# KiCad board EOutside.kicad_pcb (continued)
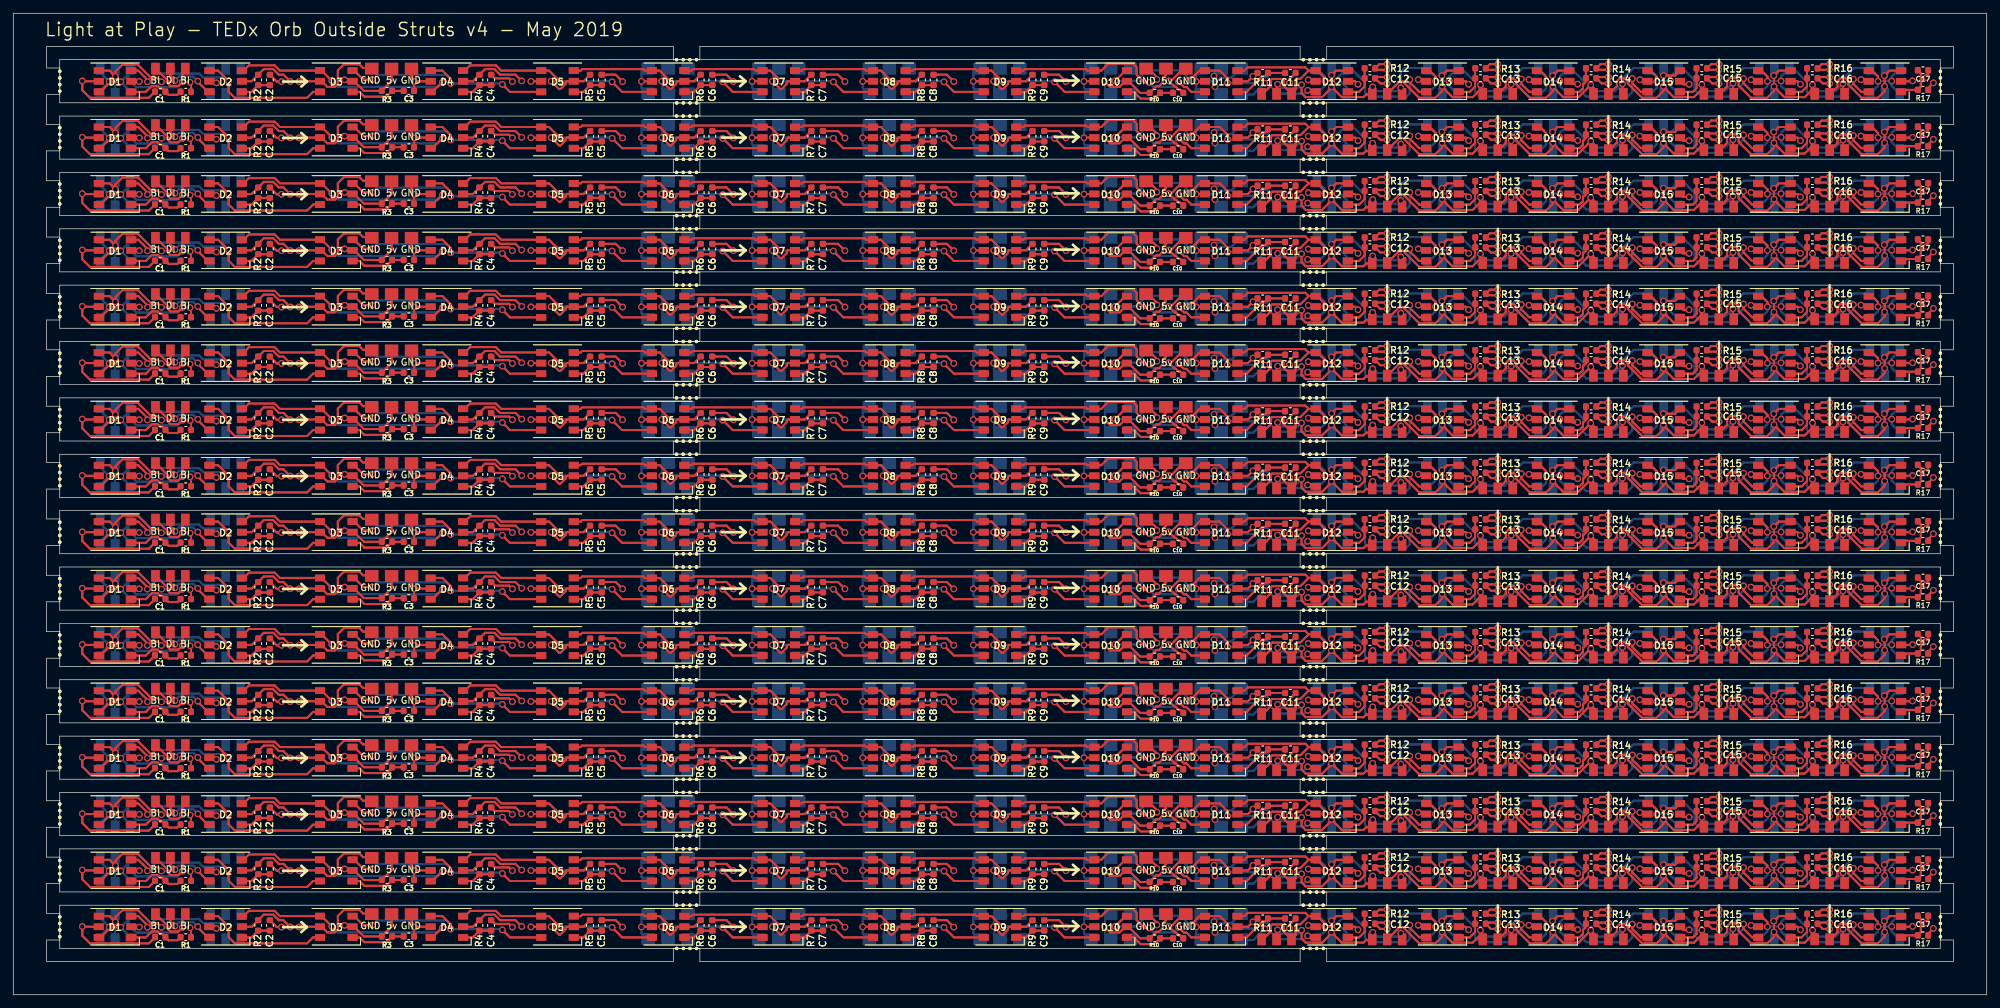
[diagram p0: board, top side]
## Routing (per net, layer and track width the routed paths; a pad name or vN(x,y) marks a point on that pad's centre or on a via; arc(x,y) is an arc through that point) (continued)
Net-(C11-Pad1): length 267.6
  Top w0.3: R11#2.2 C11#2.1 R11#2.2 ; R11#2.2 188.58,130.04 ; R11#2.2 188.58,130.04 ; 188.58,130.04 188.21,130.04 ; 188.58,130.04 188.21,130.04 ; 188.21,130.04 188.2,130.03 ; 188.21,130.04 188.2,130.03 ; 188.2,130.03 188.2,130.03 ; 188.2,130.03 188.2,130.03 ; 185.82,127.65 187.89,129.72 ; 185.82,127.65 D11#2.1 185.82,127.65 ; 185.82,127.65 187.89,129.72 ; 187.89,129.72 187.9,129.72 ; 187.89,129.72 187.9,129.72 ; 187.9,129.72 188.2,130.03 ; 187.9,129.72 188.2,130.03 ; R11#3.2 C11#3.1 R11#3.2 ; R11#3.2 188.58,121.54 ; R11#3.2 188.58,121.54 ; 188.58,121.54 188.21,121.54 ; 188.58,121.54 188.21,121.54 ; 188.21,121.54 188.2,121.53 ; 188.21,121.54 188.2,121.53 ; 188.2,121.53 188.2,121.53 ; 188.2,121.53 188.2,121.53 ; 185.82,119.15 187.89,121.22 ; 185.82,119.15 D11#3.1 185.82,119.15 ; 185.82,119.15 187.89,121.22 ; 187.89,121.22 187.9,121.22 ; 187.89,121.22 187.9,121.22 ; 187.9,121.22 188.2,121.53 ; 187.9,121.22 188.2,121.53 ; 185.82,110.65 187.89,112.72 ; 185.82,110.65 D11#4.1 185.82,110.65 ; 185.82,110.65 187.89,112.72 ; 187.89,112.72 187.9,112.72 ; 187.89,112.72 187.9,112.72 ; 187.9,112.72 188.2,113.03 ; 187.9,112.72 188.2,113.03 ; 188.2,113.03 188.2,113.03 ; 188.2,113.03 188.2,113.03 ; 188.2,113.03 188.21,113.04 ; 188.2,113.03 188.21,113.04 ; 188.21,113.04 188.58,113.04 ; 188.21,113.04 188.58,113.04 ; 188.58,113.04 R11#4.2 ; 188.58,113.04 R11#4.2 ; R11#4.2 C11#4.1 R11#4.2 ; R11.2 C11.1 R11.2 ; R11.2 188.58,138.54 ; R11.2 188.58,138.54 ; 188.58,138.54 188.21,138.54 ; 188.58,138.54 188.21,138.54 ; 188.21,138.54 188.2,138.53 ; 188.21,138.54 188.2,138.53 ; 188.2,138.53 188.2,138.53 ; 188.2,138.53 188.2,138.53 ; 185.82,136.15 187.89,138.22 ; 185.82,136.15 D11.1 185.82,136.15 ; 185.82,136.15 187.89,138.22 ; 187.89,138.22 187.9,138.22 ; 187.89,138.22 187.9,138.22 ; 187.9,138.22 188.2,138.53 ; 187.9,138.22 188.2,138.53 ; R11#9.2 C11#12.1 R11#9.2 ; R11#9.2 188.58,104.54 ; R11#9.2 188.58,104.54 ; 188.58,104.54 188.21,104.54 ; 188.58,104.54 188.21,104.54 ; 188.21,104.54 188.2,104.53 ; 188.21,104.54 188.2,104.53 ; 188.2,104.53 188.2,104.53 ; 188.2,104.53 188.2,104.53 ; 185.82,102.15 187.89,104.22 ; 185.82,102.15 D11#11.1 185.82,102.15 ; 185.82,102.15 187.89,104.22 ; 187.89,104.22 187.9,104.22 ; 187.89,104.22 187.9,104.22 ; 187.9,104.22 188.2,104.53 ; 187.9,104.22 188.2,104.53 ; 185.82,93.65 187.89,95.72 ; 185.82,93.65 D11#15.1 185.82,93.65 ; 185.82,93.65 187.89,95.72 ; 187.89,95.72 187.9,95.72 ; 187.89,95.72 187.9,95.72 ; 187.9,95.72 188.2,96.03 ; 187.9,95.72 188.2,96.03 ; 188.2,96.03 188.2,96.03 ; 188.2,96.03 188.2,96.03 ; 188.2,96.03 188.21,96.04 ; 188.2,96.03 188.21,96.04 ; 188.21,96.04 188.58,96.04 ; 188.21,96.04 188.58,96.04 ; 188.58,96.04 R11#14.2 ; 188.58,96.04 R11#14.2 ; R11#14.2 C11#15.1 R11#14.2 ; R11#10.2 C11#10.1 R11#10.2 ; R11#10.2 188.58,79.04 ; R11#10.2 188.58,79.04 ; 188.21,79.04 188.58,79.04 ; 188.21,79.04 188.2,79.03 ; 188.21,79.04 188.2,79.03 ; 188.21,79.04 188.58,79.04 ; 188.2,79.03 188.2,79.03 ; 188.2,79.03 188.2,79.03 ; 185.82,76.65 187.89,78.72 ; 185.82,76.65 D11#13.1 185.82,76.65 ; 185.82,76.65 187.89,78.72 ; 187.89,78.72 187.9,78.72 ; 187.89,78.72 187.9,78.72 ; 187.9,78.72 188.2,79.03 ; 187.9,78.72 188.2,79.03 ; 185.82,85.15 187.89,87.22 ; 185.82,85.15 D11#9.1 185.82,85.15 ; 185.82,85.15 187.89,87.22 ; 187.89,87.22 187.9,87.22 ; 187.89,87.22 187.9,87.22 ; 187.9,87.22 188.2,87.53 ; 187.9,87.22 188.2,87.53 ; 188.2,87.53 188.2,87.53 ; 188.2,87.53 188.2,87.53 ; 188.2,87.53 188.21,87.54 ; 188.2,87.53 188.21,87.54 ; R11#11.2 C11#9.1 R11#11.2 ; R11#11.2 188.58,87.54 ; R11#11.2 188.58,87.54 ; 188.58,87.54 188.21,87.54 ; 188.58,87.54 188.21,87.54 ; 188.21,70.54 188.58,70.54 ; 188.21,70.54 188.2,70.53 ; 188.21,70.54 188.58,70.54 ; 188.21,70.54 188.2,70.53 ; 188.58,70.54 R11#17.2 ; 188.58,70.54 R11#17.2 ; 188.2,70.53 188.2,70.53 ; 188.2,70.53 188.2,70.53 ; R11#17.2 C11#19.1 R11#17.2 ; 185.82,68.15 187.89,70.22 ; 185.82,68.15 D11#17.1 185.82,68.15 ; 185.82,68.15 187.89,70.22 ; 187.89,70.22 187.9,70.22 ; 187.89,70.22 187.9,70.22 ; 187.9,70.22 188.2,70.53 ; 187.9,70.22 188.2,70.53 ; 185.82,59.65 187.89,61.72 ; 185.82,59.65 D11#19.1 185.82,59.65 ; 185.82,59.65 187.89,61.72 ; 187.89,61.72 187.9,61.72 ; 187.89,61.72 187.9,61.72 ; 187.9,61.72 188.2,62.03 ; 187.9,61.72 188.2,62.03 ; 188.2,62.03 188.2,62.03 ; 188.2,62.03 188.2,62.03 ; 188.2,62.03 188.21,62.04 ; 188.2,62.03 188.21,62.04 ; R11#21.2 C11#21.1 R11#21.2 ; R11#21.2 188.58,62.04 ; R11#21.2 188.58,62.04 ; R11#18.2 C11#18.1 R11#18.2 ; R11#18.2 188.58,45.04 ; R11#18.2 188.58,45.04 ; 188.21,62.04 188.58,62.04 ; 188.21,62.04 188.58,62.04 ; 185.82,51.15 187.89,53.22 ; 185.82,51.15 D11#20.1 185.82,51.15 ; 185.82,51.15 187.89,53.22 ; 187.89,53.22 187.9,53.22 ; 187.89,53.22 187.9,53.22 ; 187.9,53.22 188.2,53.53 ; 187.9,53.22 188.2,53.53 ; 188.2,53.53 188.2,53.53 ; 188.2,53.53 188.2,53.53 ; 188.2,53.53 188.21,53.54 ; 188.2,53.53 188.21,53.54 ; 188.21,45.04 188.58,45.04 ; 188.21,45.04 188.2,45.03 ; 188.21,45.04 188.2,45.03 ; 188.21,45.04 188.58,45.04 ; 188.2,45.03 188.2,45.03 ; 188.2,45.03 188.2,45.03 ; 185.82,42.65 187.89,44.72 ; 185.82,42.65 D11#21.1 185.82,42.65 ; 185.82,42.65 187.89,44.72 ; 187.89,44.72 187.9,44.72 ; 187.89,44.72 187.9,44.72 ; 187.9,44.72 188.2,45.03 ; 187.9,44.72 188.2,45.03 ; R11#19.2 C11#17.1 R11#19.2 ; R11#19.2 188.58,53.54 ; R11#19.2 188.58,53.54 ; 188.58,53.54 188.21,53.54 ; 188.58,53.54 188.21,53.54 ; 188.2,28.03 188.21,28.04 ; 188.2,28.03 188.2,28.03 ; 188.2,28.03 188.21,28.04 ; 188.2,28.03 188.2,28.03 ; 188.21,28.04 188.58,28.04 ; 188.21,28.04 188.58,28.04 ; 188.58,28.04 R11#30.2 ; 188.58,28.04 R11#30.2 ; R11#30.2 C11#26.1 R11#30.2 ; R11#29.2 C11#25.1 R11#29.2 ; R11#29.2 188.58,11.04 ; R11#29.2 188.58,11.04 ; 188.21,11.04 188.58,11.04 ; 188.21,11.04 188.2,11.03 ; 188.21,11.04 188.58,11.04 ; 188.21,11.04 188.2,11.03 ; 185.82,17.15 187.89,19.22 ; 185.82,17.15 D11#28.1 185.82,17.15 ; 185.82,17.15 187.89,19.22 ; 187.89,19.22 187.9,19.22 ; 187.89,19.22 187.9,19.22 ; 187.9,19.22 188.2,19.53 ; 187.9,19.22 188.2,19.53 ; 188.2,19.53 188.2,19.53 ; 188.2,19.53 188.2,19.53 ; 188.2,19.53 188.21,19.54 ; 188.2,19.53 188.21,19.54 ; R11#27.2 C11#29.1 R11#27.2 ; R11#27.2 188.58,36.54 ; R11#27.2 188.58,36.54 ; 188.58,36.54 188.21,36.54 ; 188.58,36.54 188.21,36.54 ; 188.21,36.54 188.2,36.53 ; 188.21,36.54 188.2,36.53 ; 188.2,36.53 188.2,36.53 ; 188.2,36.53 188.2,36.53 ; 185.82,34.15 187.89,36.22 ; 185.82,34.15 D11#25.1 185.82,34.15 ; 185.82,34.15 187.89,36.22 ; 187.89,36.22 187.9,36.22 ; 187.89,36.22 187.9,36.22 ; 187.9,36.22 188.2,36.53 ; 187.9,36.22 188.2,36.53 ; R11#25.2 C11#28.1 R11#25.2 ; R11#25.2 188.58,19.54 ; R11#25.2 188.58,19.54 ; 188.58,19.54 188.21,19.54 ; 188.58,19.54 188.21,19.54 ; 185.82,8.65 187.89,10.72 ; 185.82,8.65 D11#29.1 185.82,8.65 ; 185.82,8.65 187.89,10.72 ; 187.89,10.72 187.9,10.72 ; 187.89,10.72 187.9,10.72 ; 187.9,10.72 188.2,11.03 ; 187.9,10.72 188.2,11.03 ; 188.2,11.03 188.2,11.03 ; 188.2,11.03 188.2,11.03 ; 185.82,25.65 187.89,27.72 ; 185.82,25.65 D11#27.1 185.82,25.65 ; 185.82,25.65 187.89,27.72 ; 187.89,27.72 187.9,27.72 ; 187.89,27.72 187.9,27.72 ; 187.9,27.72 188.2,28.03 ; 187.9,27.72 188.2,28.03
Net-(C12-Pad1): length 177.8
  Top w0.3: C12#2.1 R12#2.2 C12#2.1 ; C12#2.1 203.61,128.48 ; C12#2.1 203.61,128.48 ; 202.78,127.65 202.17,127.65 ; 202.78,127.65 203.61,128.48 ; 202.78,127.65 202.17,127.65 ; 202.78,127.65 203.61,128.48 ; 202.17,127.65 D12#2.1 202.17,127.65 ; C12#3.1 R12#3.2 C12#3.1 ; C12#3.1 203.61,119.98 ; C12#3.1 203.61,119.98 ; 202.78,119.15 202.17,119.15 ; 202.78,119.15 203.61,119.98 ; 202.78,119.15 202.17,119.15 ; 202.78,119.15 203.61,119.98 ; 202.17,119.15 D12#3.1 202.17,119.15 ; C12#4.1 R12#4.2 C12#4.1 ; C12#4.1 203.61,111.48 ; C12#4.1 203.61,111.48 ; 202.78,110.65 202.17,110.65 ; 202.78,110.65 203.61,111.48 ; 202.78,110.65 202.17,110.65 ; 202.78,110.65 203.61,111.48 ; 202.17,110.65 D12#4.1 202.17,110.65 ; C12.1 R12.2 C12.1 ; C12.1 203.61,136.98 ; C12.1 203.61,136.98 ; 202.78,136.15 202.17,136.15 ; 202.78,136.15 203.61,136.98 ; 202.78,136.15 202.17,136.15 ; 202.78,136.15 203.61,136.98 ; 202.17,136.15 D12.1 202.17,136.15 ; C12#12.1 R12#12.2 C12#12.1 ; C12#12.1 203.61,102.98 ; C12#12.1 203.61,102.98 ; 202.78,102.15 202.17,102.15 ; 202.78,102.15 203.61,102.98 ; 202.78,102.15 202.17,102.15 ; 202.78,102.15 203.61,102.98 ; 202.17,102.15 D12#11.1 202.17,102.15 ; C12#15.1 R12#14.2 C12#15.1 ; C12#15.1 203.61,94.48 ; C12#15.1 203.61,94.48 ; 202.78,93.65 202.17,93.65 ; 202.78,93.65 203.61,94.48 ; 202.78,93.65 202.17,93.65 ; 202.78,93.65 203.61,94.48 ; 202.17,93.65 D12#15.1 202.17,93.65 ; C12#10.1 R12#11.2 C12#10.1 ; C12#10.1 203.61,77.48 ; C12#10.1 203.61,77.48 ; 202.78,76.65 202.17,76.65 ; 202.78,76.65 203.61,77.48 ; 202.78,76.65 202.17,76.65 ; 202.78,76.65 203.61,77.48 ; 202.17,76.65 D12#13.1 202.17,76.65 ; C12#9.1 R12#9.2 C12#9.1 ; C12#9.1 203.61,85.98 ; C12#9.1 203.61,85.98 ; 202.78,85.15 202.17,85.15 ; 202.78,85.15 203.61,85.98 ; 202.78,85.15 202.17,85.15 ; 202.78,85.15 203.61,85.98 ; 202.17,85.15 D12#9.1 202.17,85.15 ; C12#19.1 R12#19.2 C12#19.1 ; C12#19.1 203.61,68.98 ; C12#19.1 203.61,68.98 ; 202.78,68.15 202.17,68.15 ; 202.78,68.15 203.61,68.98 ; 202.78,68.15 202.17,68.15 ; 202.78,68.15 203.61,68.98 ; 202.17,68.15 D12#17.1 202.17,68.15 ; C12#21.1 R12#20.2 C12#21.1 ; C12#21.1 203.61,60.48 ; C12#21.1 203.61,60.48 ; 202.78,59.65 202.17,59.65 ; 202.78,59.65 203.61,60.48 ; 202.78,59.65 202.17,59.65 ; 202.78,59.65 203.61,60.48 ; 202.17,59.65 D12#21.1 202.17,59.65 ; C12#18.1 R12#18.2 C12#18.1 ; C12#18.1 203.61,43.48 ; C12#18.1 203.61,43.48 ; 202.78,42.65 202.17,42.65 ; 202.78,42.65 203.61,43.48 ; 202.78,42.65 202.17,42.65 ; 202.78,42.65 203.61,43.48 ; 202.17,42.65 D12#23.1 202.17,42.65 ; C12#17.1 R12#17.2 C12#17.1 ; C12#17.1 203.61,51.98 ; C12#17.1 203.61,51.98 ; 202.78,51.15 202.17,51.15 ; 202.78,51.15 203.61,51.98 ; 202.78,51.15 202.17,51.15 ; 202.78,51.15 203.61,51.98 ; 202.17,51.15 D12#18.1 202.17,51.15 ; C12#26.1 R12#25.2 C12#26.1 ; C12#26.1 203.61,26.48 ; C12#26.1 203.61,26.48 ; 202.78,25.65 202.17,25.65 ; 202.78,25.65 203.61,26.48 ; 202.78,25.65 202.17,25.65 ; 202.78,25.65 203.61,26.48 ; 202.17,25.65 D12#28.1 202.17,25.65 ; C12#25.1 R12#26.2 C12#25.1 ; C12#25.1 203.61,9.48 ; C12#25.1 203.61,9.48 ; 202.78,8.65 202.17,8.65 ; 202.78,8.65 203.61,9.48 ; 202.78,8.65 202.17,8.65 ; 202.78,8.65 203.61,9.48 ; 202.17,8.65 D12#31.1 202.17,8.65 ; C12#29.1 R12#30.2 C12#29.1 ; C12#29.1 203.61,34.98 ; C12#29.1 203.61,34.98 ; 202.78,34.15 202.17,34.15 ; 202.78,34.15 203.61,34.98 ; 202.78,34.15 202.17,34.15 ; 202.78,34.15 203.61,34.98 ; 202.17,34.15 D12#27.1 202.17,34.15 ; C12#28.1 R12#28.2 C12#28.1 ; C12#28.1 203.61,17.98 ; C12#28.1 203.61,17.98 ; 202.78,17.15 202.17,17.15 ; 202.78,17.15 203.61,17.98 ; 202.78,17.15 202.17,17.15 ; 202.78,17.15 203.61,17.98 ; 202.17,17.15 D12#25.1 202.17,17.15
Net-(C13-Pad1): length 177.8
  Top w0.3: 220.25,128.45 219.45,127.65 ; 220.25,128.45 220.25,131.17 ; 220.25,128.45 220.25,131.17 ; 220.25,128.45 219.45,127.65 ; 219.45,127.65 218.83,127.65 ; 219.45,127.65 218.83,127.65 ; 218.83,127.65 D13#2.1 218.83,127.65 ; 220.25,131.17 R13#2.2 220.25,131.17 ; 220.25,119.95 219.45,119.15 ; 220.25,119.95 220.25,122.67 ; 220.25,119.95 219.45,119.15 ; 220.25,119.95 220.25,122.67 ; 219.45,119.15 218.83,119.15 ; 219.45,119.15 218.83,119.15 ; 218.83,119.15 D13#3.1 218.83,119.15 ; 220.25,122.67 R13#3.2 220.25,122.67 ; 218.83,110.65 D13#4.1 218.83,110.65 ; 218.83,110.65 219.45,110.65 ; 218.83,110.65 219.45,110.65 ; 220.25,114.17 R13#4.2 220.25,114.17 ; 220.25,114.17 220.25,111.45 ; 220.25,114.17 220.25,111.45 ; 220.25,111.45 219.45,110.65 ; 220.25,111.45 219.45,110.65 ; 220.25,136.95 219.45,136.15 ; 220.25,136.95 220.25,139.67 ; 220.25,136.95 220.25,139.67 ; 220.25,136.95 219.45,136.15 ; 219.45,136.15 218.83,136.15 ; 219.45,136.15 218.83,136.15 ; 218.83,136.15 D13.1 218.83,136.15 ; 220.25,139.67 R13.2 220.25,139.67 ; 220.25,102.95 219.45,102.15 ; 220.25,102.95 220.25,105.67 ; 220.25,102.95 219.45,102.15 ; 220.25,102.95 220.25,105.67 ; 219.45,102.15 218.83,102.15 ; 219.45,102.15 218.83,102.15 ; 218.83,102.15 D13#11.1 218.83,102.15 ; 220.25,105.67 R13#13.2 220.25,105.67 ; 218.83,93.65 D13#14.1 218.83,93.65 ; 218.83,93.65 219.45,93.65 ; 218.83,93.65 219.45,93.65 ; 220.25,97.17 R13#15.2 220.25,97.17 ; 220.25,97.17 220.25,94.45 ; 220.25,97.17 220.25,94.45 ; 220.25,94.45 219.45,93.65 ; 220.25,94.45 219.45,93.65 ; 218.83,76.65 D13#9.1 218.83,76.65 ; 218.83,76.65 219.45,76.65 ; 218.83,76.65 219.45,76.65 ; 220.25,80.17 R13#9.2 220.25,80.17 ; 220.25,80.17 220.25,77.45 ; 220.25,80.17 220.25,77.45 ; 220.25,77.45 219.45,76.65 ; 220.25,77.45 219.45,76.65 ; 220.25,85.95 219.45,85.15 ; 220.25,85.95 220.25,88.67 ; 220.25,85.95 219.45,85.15 ; 220.25,85.95 220.25,88.67 ; 219.45,85.15 218.83,85.15 ; 219.45,85.15 218.83,85.15 ; 218.83,85.15 D13#10.1 218.83,85.15 ; 220.25,88.67 R13#10.2 220.25,88.67 ; 220.25,68.95 219.45,68.15 ; 220.25,68.95 220.25,71.67 ; 220.25,68.95 219.45,68.15 ; 220.25,68.95 220.25,71.67 ; 219.45,68.15 218.83,68.15 ; 219.45,68.15 218.83,68.15 ; 218.83,68.15 D13#23.1 218.83,68.15 ; 220.25,71.67 R13#20.2 220.25,71.67 ; 218.83,59.65 D13#21.1 218.83,59.65 ; 218.83,59.65 219.45,59.65 ; 218.83,59.65 219.45,59.65 ; 220.25,63.17 R13#21.2 220.25,63.17 ; 220.25,63.17 220.25,60.45 ; 220.25,63.17 220.25,60.45 ; 220.25,60.45 219.45,59.65 ; 220.25,60.45 219.45,59.65 ; 218.83,42.65 D13#18.1 218.83,42.65 ; 218.83,42.65 219.45,42.65 ; 218.83,42.65 219.45,42.65 ; 220.25,46.17 R13#17.2 220.25,46.17 ; 220.25,46.17 220.25,43.45 ; 220.25,46.17 220.25,43.45 ; 220.25,43.45 219.45,42.65 ; 220.25,43.45 219.45,42.65 ; 220.25,51.95 219.45,51.15 ; 220.25,51.95 220.25,54.67 ; 220.25,51.95 219.45,51.15 ; 220.25,51.95 220.25,54.67 ; 219.45,51.15 218.83,51.15 ; 219.45,51.15 218.83,51.15 ; 218.83,51.15 D13#17.1 218.83,51.15 ; 220.25,54.67 R13#18.2 220.25,54.67 ; 220.25,34.95 219.45,34.15 ; 220.25,34.95 220.25,37.67 ; 220.25,34.95 219.45,34.15 ; 220.25,34.95 220.25,37.67 ; 219.45,34.15 218.83,34.15 ; 219.45,34.15 218.83,34.15 ; 218.83,34.15 D13#30.1 218.83,34.15 ; 220.25,37.67 R13#29.2 220.25,37.67 ; 218.83,8.65 D13#28.1 218.83,8.65 ; 218.83,8.65 219.45,8.65 ; 218.83,8.65 219.45,8.65 ; 220.25,12.17 R13#26.2 220.25,12.17 ; 220.25,12.17 220.25,9.45 ; 220.25,12.17 220.25,9.45 ; 220.25,9.45 219.45,8.65 ; 220.25,9.45 219.45,8.65 ; 220.25,17.95 219.45,17.15 ; 220.25,17.95 220.25,20.67 ; 220.25,17.95 219.45,17.15 ; 220.25,17.95 220.25,20.67 ; 219.45,17.15 218.83,17.15 ; 219.45,17.15 218.83,17.15 ; 218.83,17.15 D13#26.1 218.83,17.15 ; 220.25,20.67 R13#27.2 220.25,20.67 ; 218.83,25.65 D13#25.1 218.83,25.65 ; 218.83,25.65 219.45,25.65 ; 218.83,25.65 219.45,25.65 ; 220.25,29.17 R13#25.2 220.25,29.17 ; 220.25,29.17 220.25,26.45 ; 220.25,29.17 220.25,26.45 ; 220.25,26.45 219.45,25.65 ; 220.25,26.45 219.45,25.65
Net-(C14-Pad1): length 174.9
  Top w0.3: 235.96,127.65 D14#2.1 235.96,127.65 ; 235.96,127.65 236.51,128.2 ; 235.96,127.65 236.51,128.2 ; 236.51,128.2 236.51,128.75 ; 236.51,128.2 236.51,128.75 ; 236.51,128.75 236.94,129.18 ; 236.51,128.75 236.94,129.18 ; 236.94,129.18 R14#2.2 236.94,129.18 ; 235.96,119.15 D14#3.1 235.96,119.15 ; 235.96,119.15 236.51,119.7 ; 235.96,119.15 236.51,119.7 ; 236.51,119.7 236.51,120.25 ; 236.51,119.7 236.51,120.25 ; 236.51,120.25 236.94,120.68 ; 236.51,120.25 236.94,120.68 ; 236.94,120.68 R14#3.2 236.94,120.68 ; 236.94,112.18 236.51,111.75 ; 236.94,112.18 R14#4.2 236.94,112.18 ; 236.94,112.18 236.51,111.75 ; 236.51,111.75 236.51,111.2 ; 236.51,111.75 236.51,111.2 ; 236.51,111.2 235.96,110.65 ; 236.51,111.2 235.96,110.65 ; 235.96,110.65 D14#4.1 235.96,110.65 ; 235.96,136.15 D14.1 235.96,136.15 ; 235.96,136.15 236.51,136.7 ; 235.96,136.15 236.51,136.7 ; 236.51,136.7 236.51,137.25 ; 236.51,136.7 236.51,137.25 ; 236.51,137.25 236.94,137.68 ; 236.51,137.25 236.94,137.68 ; 236.94,137.68 R14.2 236.94,137.68 ; 235.96,102.15 D14#11.1 235.96,102.15 ; 235.96,102.15 236.51,102.7 ; 235.96,102.15 236.51,102.7 ; 236.51,102.7 236.51,103.25 ; 236.51,102.7 236.51,103.25 ; 236.51,103.25 236.94,103.68 ; 236.51,103.25 236.94,103.68 ; 236.94,103.68 R14#10.2 236.94,103.68 ; 236.94,95.18 236.51,94.75 ; 236.94,95.18 R14#12.2 236.94,95.18 ; 236.94,95.18 236.51,94.75 ; 236.51,94.75 236.51,94.2 ; 236.51,94.75 236.51,94.2 ; 236.51,94.2 235.96,93.65 ; 236.51,94.2 235.96,93.65 ; 235.96,93.65 D14#14.1 235.96,93.65 ; 236.94,78.18 236.51,77.75 ; 236.94,78.18 R14#11.2 236.94,78.18 ; 236.94,78.18 236.51,77.75 ; 236.51,77.75 236.51,77.2 ; 236.51,77.75 236.51,77.2 ; 236.51,77.2 235.96,76.65 ; 236.51,77.2 235.96,76.65 ; 235.96,76.65 D14#10.1 235.96,76.65 ; 235.96,85.15 D14#9.1 235.96,85.15 ; 235.96,85.15 236.51,85.7 ; 235.96,85.15 236.51,85.7 ; 236.51,85.7 236.51,86.25 ; 236.51,85.7 236.51,86.25 ; 236.51,86.25 236.94,86.68 ; 236.51,86.25 236.94,86.68 ; 236.94,86.68 R14#9.2 236.94,86.68 ; 235.96,68.15 D14#22.1 235.96,68.15 ; 235.96,68.15 236.51,68.7 ; 235.96,68.15 236.51,68.7 ; 236.51,68.7 236.51,69.25 ; 236.51,68.7 236.51,69.25 ; 236.51,69.25 236.94,69.68 ; 236.51,69.25 236.94,69.68 ; 236.94,69.68 R14#23.2 236.94,69.68 ; 236.94,61.18 236.51,60.75 ; 236.94,61.18 R14#17.2 236.94,61.18 ; 236.94,61.18 236.51,60.75 ; 236.51,60.75 236.51,60.2 ; 236.51,60.75 236.51,60.2 ; 236.51,60.2 235.96,59.65 ; 236.51,60.2 235.96,59.65 ; 235.96,59.65 D14#17.1 235.96,59.65 ; 236.94,44.18 236.51,43.75 ; 236.94,44.18 R14#18.2 236.94,44.18 ; 236.94,44.18 236.51,43.75 ; 236.51,43.75 236.51,43.2 ; 236.51,43.75 236.51,43.2 ; 236.51,43.2 235.96,42.65 ; 236.51,43.2 235.96,42.65 ; 235.96,42.65 D14#19.1 235.96,42.65 ; 235.96,51.15 D14#18.1 235.96,51.15 ; 235.96,51.15 236.51,51.7 ; 235.96,51.15 236.51,51.7 ; 236.51,51.7 236.51,52.25 ; 236.51,51.7 236.51,52.25 ; 236.51,52.25 236.94,52.68 ; 236.51,52.25 236.94,52.68 ; 236.94,52.68 R14#20.2 236.94,52.68 ; 235.96,34.15 D14#30.1 235.96,34.15 ; 235.96,34.15 236.51,34.7 ; 235.96,34.15 236.51,34.7 ; 236.51,34.7 236.51,35.25 ; 236.51,34.7 236.51,35.25 ; 236.51,35.25 236.94,35.68 ; 236.51,35.25 236.94,35.68 ; 236.94,35.68 R14#27.2 236.94,35.68 ; 236.94,10.18 236.51,9.75 ; 236.94,10.18 R14#25.2 236.94,10.18 ; 236.94,10.18 236.51,9.75 ; 236.51,9.75 236.51,9.2 ; 236.51,9.75 236.51,9.2 ; 236.51,9.2 235.96,8.65 ; 236.51,9.2 235.96,8.65 ; 235.96,8.65 D14#29.1 235.96,8.65 ; 235.96,17.15 D14#26.1 235.96,17.15 ; 235.96,17.15 236.51,17.7 ; 235.96,17.15 236.51,17.7 ; 236.51,17.7 236.51,18.25 ; 236.51,17.7 236.51,18.25 ; 236.51,18.25 236.94,18.68 ; 236.51,18.25 236.94,18.68 ; 236.94,18.68 R14#29.2 236.94,18.68 ; 236.94,27.18 236.51,26.75 ; 236.94,27.18 R14#26.2 236.94,27.18 ; 236.94,27.18 236.51,26.75 ; 236.51,26.75 236.51,26.2 ; 236.51,26.75 236.51,26.2 ; 236.51,26.2 235.96,25.65 ; 236.51,26.2 235.96,25.65 ; 235.96,25.65 D14#25.1 235.96,25.65
Net-(C15-Pad1): length 183.3
  Top w0.3: 253.08,127.65 D15#2.1 253.08,127.65 ; 253.08,127.65 253.61,128.18 ; 253.08,127.65 253.61,128.18 ; 253.61,128.18 C15#2.1 ; 253.61,128.18 C15#2.1 ; C15#2.1 R15#2.2 C15#2.1 ; 253.08,119.15 D15#3.1 253.08,119.15 ; 253.08,119.15 253.61,119.68 ; 253.08,119.15 253.61,119.68 ; 253.61,119.68 C15#3.1 ; 253.61,119.68 C15#3.1 ; C15#3.1 R15#3.2 C15#3.1 ; C15#4.1 R15#4.2 C15#4.1 ; C15#4.1 253.61,111.18 ; C15#4.1 253.61,111.18 ; 253.61,111.18 253.08,110.65 ; 253.61,111.18 253.08,110.65 ; 253.08,110.65 D15#4.1 253.08,110.65 ; 253.08,136.15 D15.1 253.08,136.15 ; 253.08,136.15 253.61,136.68 ; 253.08,136.15 253.61,136.68 ; 253.61,136.68 C15.1 ; 253.61,136.68 C15.1 ; C15.1 R15.2 C15.1 ; 253.08,102.15 D15#12.1 253.08,102.15 ; 253.08,102.15 253.61,102.68 ; 253.08,102.15 253.61,102.68 ; 253.61,102.68 C15#11.1 ; 253.61,102.68 C15#11.1 ; C15#11.1 R15#11.2 C15#11.1 ; C15#15.1 R15#15.2 C15#15.1 ; C15#15.1 253.61,94.18 ; C15#15.1 253.61,94.18 ; 253.61,94.18 253.08,93.65 ; 253.61,94.18 253.08,93.65 ; 253.08,93.65 D15#14.1 253.08,93.65 ; C15#10.1 R15#9.2 C15#10.1 ; C15#10.1 253.61,77.18 ; C15#10.1 253.61,77.18 ; 253.61,77.18 253.08,76.65 ; 253.61,77.18 253.08,76.65 ; 253.08,76.65 D15#11.1 253.08,76.65 ; 253.08,85.15 D15#9.1 253.08,85.15 ; 253.08,85.15 253.61,85.68 ; 253.08,85.15 253.61,85.68 ; 253.61,85.68 C15#9.1 ; 253.61,85.68 C15#9.1 ; C15#9.1 R15#10.2 C15#9.1 ; 253.08,68.15 D15#19.1 253.08,68.15 ; 253.08,68.15 253.61,68.68 ; 253.08,68.15 253.61,68.68 ; 253.61,68.68 C15#18.1 ; 253.61,68.68 C15#18.1 ; C15#18.1 R15#19.2 C15#18.1 ; C15#21.1 R15#22.2 C15#21.1 ; C15#21.1 253.61,60.18 ; C15#21.1 253.61,60.18 ; 253.61,60.18 253.08,59.65 ; 253.61,60.18 253.08,59.65 ; 253.08,59.65 D15#20.1 253.08,59.65 ; C15#20.1 R15#18.2 C15#20.1 ; C15#20.1 253.61,43.18 ; C15#20.1 253.61,43.18 ; 253.61,43.18 253.08,42.65 ; 253.61,43.18 253.08,42.65 ; 253.08,42.65 D15#18.1 253.08,42.65 ; 253.08,51.15 D15#17.1 253.08,51.15 ; 253.08,51.15 253.61,51.68 ; 253.08,51.15 253.61,51.68 ; 253.61,51.68 C15#17.1 ; 253.61,51.68 C15#17.1 ; C15#17.1 R15#17.2 C15#17.1 ; 253.08,34.15 D15#29.1 253.08,34.15 ; 253.08,34.15 253.61,34.68 ; 253.08,34.15 253.61,34.68 ; 253.61,34.68 C15#28.1 ; 253.61,34.68 C15#28.1 ; C15#28.1 R15#29.2 C15#28.1 ; C15#27.1 R15#28.2 C15#27.1 ; C15#27.1 253.61,9.18 ; C15#27.1 253.61,9.18 ; 253.61,9.18 253.08,8.65 ; 253.61,9.18 253.08,8.65 ; 253.08,8.65 D15#26.1 253.08,8.65 ; 253.08,17.15 D15#28.1 253.08,17.15 ; 253.08,17.15 253.61,17.68 ; 253.08,17.15 253.61,17.68 ; 253.61,17.68 C15#26.1 ; 253.61,17.68 C15#26.1 ; C15#26.1 R15#26.2 C15#26.1 ; C15#25.1 R15#25.2 C15#25.1 ; C15#25.1 253.61,26.18 ; C15#25.1 253.61,26.18 ; 253.61,26.18 253.08,25.65 ; 253.61,26.18 253.08,25.65 ; 253.08,25.65 D15#25.1 253.08,25.65
Net-(C16-Pad1): length 177.8
  Top w0.3: 270.25,131.17 270.25,128.45 ; 270.25,131.17 R16#2.2 270.25,131.17 ; 270.25,131.17 270.25,128.45 ; 270.25,128.45 269.45,127.65 ; 270.25,128.45 269.45,127.65 ; 268.83,127.65 D16#2.1 268.83,127.65 ; 268.83,127.65 269.45,127.65 ; 268.83,127.65 269.45,127.65 ; 270.25,122.67 270.25,119.95 ; 270.25,122.67 R16#3.2 270.25,122.67 ; 270.25,122.67 270.25,119.95 ; 270.25,119.95 269.45,119.15 ; 270.25,119.95 269.45,119.15 ; 268.83,119.15 D16#3.1 268.83,119.15 ; 268.83,119.15 269.45,119.15 ; 268.83,119.15 269.45,119.15 ; 269.45,110.65 268.83,110.65 ; 269.45,110.65 270.25,111.45 ; 269.45,110.65 268.83,110.65 ; 269.45,110.65 270.25,111.45 ; 268.83,110.65 D16#4.1 268.83,110.65 ; 270.25,111.45 270.25,114.17 ; 270.25,111.45 270.25,114.17 ; 270.25,114.17 R16#4.2 270.25,114.17 ; 270.25,139.67 270.25,136.95 ; 270.25,139.67 R16.2 270.25,139.67 ; 270.25,139.67 270.25,136.95 ; 270.25,136.95 269.45,136.15 ; 270.25,136.95 269.45,136.15 ; 268.83,136.15 D16.1 268.83,136.15 ; 268.83,136.15 269.45,136.15 ; 268.83,136.15 269.45,136.15 ; 270.25,105.67 270.25,102.95 ; 270.25,105.67 R16#11.2 270.25,105.67 ; 270.25,105.67 270.25,102.95 ; 270.25,102.95 269.45,102.15 ; 270.25,102.95 269.45,102.15 ; 268.83,102.15 D16#11.1 268.83,102.15 ; 268.83,102.15 269.45,102.15 ; 268.83,102.15 269.45,102.15 ; 269.45,93.65 268.83,93.65 ; 269.45,93.65 270.25,94.45 ; 269.45,93.65 268.83,93.65 ; 269.45,93.65 270.25,94.45 ; 268.83,93.65 D16#13.1 268.83,93.65 ; 270.25,94.45 270.25,97.17 ; 270.25,94.45 270.25,97.17 ; 270.25,97.17 R16#14.2 270.25,97.17 ; 269.45,76.65 268.83,76.65 ; 269.45,76.65 270.25,77.45 ; 269.45,76.65 268.83,76.65 ; 269.45,76.65 270.25,77.45 ; 268.83,76.65 D16#10.1 268.83,76.65 ; 270.25,77.45 270.25,80.17 ; 270.25,77.45 270.25,80.17 ; 270.25,80.17 R16#10.2 270.25,80.17 ; 270.25,88.67 270.25,85.95 ; 270.25,88.67 R16#9.2 270.25,88.67 ; 270.25,88.67 270.25,85.95 ; 270.25,85.95 269.45,85.15 ; 270.25,85.95 269.45,85.15 ; 268.83,85.15 D16#9.1 268.83,85.15 ; 268.83,85.15 269.45,85.15 ; 268.83,85.15 269.45,85.15 ; 270.25,54.67 R16#17.2 270.25,54.67 ; 270.25,54.67 270.25,51.95 ; 270.25,54.67 270.25,51.95 ; 270.25,51.95 269.45,51.15 ; 270.25,51.95 269.45,51.15 ; 269.45,51.15 268.83,51.15 ; 269.45,51.15 268.83,51.15 ; 268.83,51.15 D16#20.1 268.83,51.15 ; 269.45,59.65 268.83,59.65 ; 269.45,59.65 270.25,60.45 ; 269.45,59.65 268.83,59.65 ; 269.45,59.65 270.25,60.45 ; 268.83,59.65 D16#17.1 268.83,59.65 ; 270.25,60.45 270.25,63.17 ; 270.25,60.45 270.25,63.17 ; 270.25,63.17 R16#21.2 270.25,63.17 ; 270.25,71.67 R16#22.2 270.25,71.67 ; 270.25,71.67 270.25,68.95 ; 270.25,71.67 270.25,68.95 ; 269.45,68.15 268.83,68.15 ; 269.45,68.15 270.25,68.95 ; 269.45,68.15 268.83,68.15 ; 269.45,68.15 270.25,68.95 ; 268.83,68.15 D16#21.1 268.83,68.15 ; 269.45,42.65 268.83,42.65 ; 269.45,42.65 270.25,43.45 ; 269.45,42.65 268.83,42.65 ; 269.45,42.65 270.25,43.45 ; 268.83,42.65 D16#18.1 268.83,42.65 ; 270.25,43.45 270.25,46.17 ; 270.25,43.45 270.25,46.17 ; 270.25,46.17 R16#18.2 270.25,46.17 ; 269.45,8.65 268.83,8.65 ; 269.45,8.65 270.25,9.45 ; 269.45,8.65 268.83,8.65 ; 269.45,8.65 270.25,9.45 ; 268.83,8.65 D16#26.1 268.83,8.65 ; 270.25,9.45 270.25,12.17 ; 270.25,9.45 270.25,12.17 ; 270.25,12.17 R16#26.2 270.25,12.17 ; 270.25,37.67 270.25,34.95 ; 270.25,37.67 R16#28.2 270.25,37.67 ; 270.25,37.67 270.25,34.95 ; 270.25,34.95 269.45,34.15 ; 270.25,34.95 269.45,34.15 ; 268.83,34.15 D16#27.1 268.83,34.15 ; 268.83,34.15 269.45,34.15 ; 268.83,34.15 269.45,34.15 ; 270.25,20.67 270.25,17.95 ; 270.25,20.67 R16#25.2 270.25,20.67 ; 270.25,20.67 270.25,17.95 ; 270.25,17.95 269.45,17.15 ; 270.25,17.95 269.45,17.15 ; 268.83,17.15 D16#28.1 268.83,17.15 ; 268.83,17.15 269.45,17.15 ; 268.83,17.15 269.45,17.15 ; 269.45,25.65 268.83,25.65 ; 269.45,25.65 270.25,26.45 ; 269.45,25.65 268.83,25.65 ; 269.45,25.65 270.25,26.45 ; 268.83,25.65 D16#25.1 268.83,25.65 ; 270.25,26.45 270.25,29.17 ; 270.25,26.45 270.25,29.17 ; 270.25,29.17 R16#30.2 270.25,29.17
